# Allegro board 8880F5-0824_updates.brd (continued)
## Routing (per net, layer and track width the routed paths; a pad name or vN(x,y) marks a point on that pad's centre or on a via; arc(x,y) is an arc through that point) (continued)
  L05_SIGNAL w0.074: 123.65,81.28 D130.B16 ; D130.B16 125.27,81.28 ; D130.B16 124.46,82.09 ; D130.B16 124.46,80.47 ; D113.A7 333.55,335.28 ; D113.A7 332.74,336.09 ; D113.A7 332.74,334.47 ; D113.A7 331.93,335.28 ; 194.77,381 D431.B3 ; D431.B3 195.58,381.81 ; D431.B3 196.39,381 ; D431.B3 195.58,380.19 ; 232.87,58.42 D123.B1 ; D123.B1 233.68,57.61 ; D123.B1 234.49,58.42 ; D123.B1 233.68,59.23 ; 111.76,72.85 D130.A11 ; D130.A11 112.57,73.66 ; D130.A11 110.95,73.66 ; D130.A11 111.76,74.47 ; D112.A3 416.56,397.05 ; D112.A3 417.37,396.24 ; D112.A3 415.75,396.24 ; D112.A3 416.56,395.43 ; 198.12,75.39 D118.A16 ; D118.A16 198.12,77.01 ; D118.A16 197.31,76.2 ; D118.A16 198.93,76.2 ; 264.16,32.21 D124.A13 ; D124.A13 264.16,33.83 ; D124.A13 263.35,33.02 ; D124.A13 264.97,33.02 ; D306.A1 381.71,63.5 ; D306.A1 381,62.79 ; D306.A1 380.29,63.5 ; D306.A1 381,64.21 ; 332.74,395.43 D116.A7 ; D116.A7 333.55,396.24 ; D116.A7 331.93,396.24 ; D116.A7 332.74,397.05 ; D113.A11 323.39,335.28 ; D113.A11 322.58,336.09 ; D113.A11 322.58,334.47 ; D113.A11 321.77,335.28 ; D317.B10 182.88,92.15 ; D317.B10 183.59,91.44 ; D317.B10 182.17,91.44 ; D317.B10 182.88,90.73 ; 121.11,73.66 D130.A15 ; D130.A15 121.92,74.47 ; D130.A15 122.73,73.66 ; D130.A15 121.92,72.85 ; SITE1.G2 249.81,241.33 ; SITE1.G2 249.33,240.85 ; SITE1.G2 248.85,241.33 ; SITE1.G2 249.33,241.81 ; 314.15,347.98 D114.B14 ; D114.B14 315.77,347.98 ; D114.B14 314.96,348.79 ; D114.B14 314.96,347.17 ; D123.A5 243.84,54.15 ; D123.A5 243.03,53.34 ; D123.A5 244.65,53.34 ; D123.A5 243.84,52.53 ; D126.A11 38.1,74.47 ; D126.A11 38.1,72.85 ; D126.A11 37.29,73.66 ; D126.A11 38.91,73.66 ; 321.77,396.24 D116.A11 ; D116.A11 323.39,396.24 ; D116.A11 322.58,395.43 ; D116.A11 322.58,397.05 ; CSDPS229.C5 191.31,330.2 ; CSDPS229.C5 190.5,329.39 ; CSDPS229.C5 189.69,330.2 ; CSDPS229.C5 190.5,331.01 ; 235.51,66.04 D322.A2 ; D322.A2 236.93,66.04 ; D322.A2 236.22,66.75 ; D322.A2 236.22,65.33 ; 317.5,67.87 D302.B5 ; D302.B5 318.21,68.58 ; D302.B5 317.5,69.29 ; D302.B5 316.79,68.58 ; 413.21,55.88 D107.A14 ; D107.A14 414.02,56.69 ; D107.A14 414.83,55.88 ; D122.A3 238.76,74.47 ; D122.A3 238.76,72.85 ; D122.A3 237.95,73.66 ; D122.A3 239.57,73.66 ; 35.56,100.79 D125.B10 ; D125.B10 36.37,101.6 ; D125.B10 34.75,101.6 ; D125.B10 35.56,102.41 ; 396.24,83.11 D305.A7 ; D305.A7 396.24,84.53 ; D305.A7 396.95,83.82 ; D305.A7 395.53,83.82 ; D103.A9 328.47,53.34 ; D103.A9 327.66,52.53 ; D103.A9 327.66,54.15 ; D103.A9 326.85,53.34 ; 256.54,85.65 D321.A10 ; D321.A10 255.83,86.36 ; D321.A10 256.54,87.07 ; D321.A10 257.25,86.36 ; D125.A15 49.07,93.98 ; D125.A15 47.45,93.98 ; D125.A15 48.26,94.79 ; D125.A15 48.26,93.17 ; CSDPS425.C7 259.08,341.17 ; CSDPS425.C7 258.27,340.36 ; CSDPS425.C7 259.08,339.55 ; CSDPS425.C7 259.89,340.36 ; 397.97,353.06 D110.A10 ; D110.A10 399.59,353.06 ; D110.A10 398.78,352.25 ; D110.A10 398.78,353.87 ; D111.B10 398.78,369.11 ; D111.B10 397.97,368.3 ; D111.B10 398.78,367.49 ; D111.B10 399.59,368.3 ; D131.B1 86.36,59.23 ; D131.B1 86.36,57.61 ; D131.B1 87.17,58.42 ; D131.B1 85.55,58.42 ; D118.A8 177.8,77.01 ; D118.A8 177.8,75.39 ; D118.A8 178.61,76.2 ; D118.A8 176.99,76.2 ; 109.22,55.07 D131.A10 ; D131.A10 110.03,55.88 ; D131.A10 109.22,56.69 ; D131.A10 108.41,55.88 ; 42.37,93.98 D125.A13 ; D125.A13 43.18,93.17 ; D125.A13 43.18,94.79 ; D125.A13 43.99,93.98 ; D124.B3 239.57,38.1 ; D124.B3 238.76,38.91 ; D124.B3 237.95,38.1 ; D124.B3 238.76,37.29 ; D113.B9 327.66,331.01 ; D113.B9 326.85,330.2 ; D113.B9 328.47,330.2 ; D113.B9 327.66,329.39 ; SITE4.G18 330.23,186.91 ; SITE4.G18 330.23,185.95 ; SITE4.G18 330.71,186.43 ; SITE4.G18 329.75,186.43 ; D128.B6 26.21,40.64 ; D128.B6 25.4,39.83 ; D128.B6 25.4,41.45 ; D128.B6 24.59,40.64 ; 250.95,242.83 SITE1.G15 ; SITE1.G15 251.43,242.35 ; SITE1.G15 251.43,243.31 ; SITE1.G15 251.91,242.83 ; DPS2.A11 323.39,415.29 ; DPS2.A11 321.77,415.29 ; DPS2.A11 322.58,416.1 ; DPS2.A11 322.58,414.48 ; D111.A3 417.37,375.92 ; D111.A3 415.75,375.92 ; D111.A3 416.56,375.11 ; D111.A3 416.56,376.73 ; 307.34,32.21 D104.A1 ; D104.A1 308.15,33.02 ; D104.A1 307.34,33.83 ; D104.A1 306.53,33.02 ; D131.A5 97.33,53.34 ; D131.A5 96.52,54.15 ; D131.A5 96.52,52.53 ; 200.66,370.03 D231.B1 ; D231.B1 201.47,370.84 ; D231.B1 199.85,370.84 ; D231.B1 200.66,371.65 ; D123.A9 254,54.15 ; D123.A9 254.81,53.34 ; D123.A9 254,52.53 ; D123.A9 253.19,53.34 ; 311.61,53.34 D103.A3 ; D103.A3 313.23,53.34 ; D103.A3 312.42,54.15 ; D103.A3 312.42,52.53 ; D128.A11 38.1,33.83 ; D128.A11 38.91,33.02 ; D128.A11 38.1,32.21 ; D128.A11 37.29,33.02 ; D107.B1 381.81,58.42 ; D107.B1 381,59.23 ; D107.B1 381,57.61 ; D107.B1 380.19,58.42 ; D116.A15 312.42,397.05 ; D116.A15 312.42,395.43 ; D116.A15 313.23,396.24 ; D116.A15 311.61,396.24 ; 233.68,88.19 D321.B1 ; D321.B1 234.39,88.9 ; D321.B1 232.97,88.9 ; D321.B1 233.68,89.61 ; 159.31,63.5 D318.A1 ; D318.A1 160.02,62.79 ; D318.A1 160.73,63.5 ; D318.A1 160.02,64.21 ; D301.B11 333.45,88.9 ; D301.B11 332.03,88.9 ; D301.B11 332.74,89.61 ; D301.B11 332.74,88.19 ; D127.B16 51.61,60.96 ; D127.B16 49.99,60.96 ; D127.B16 50.8,61.77 ; D127.B16 50.8,60.15 ; 232.87,73.66 D122.A1 ; D122.A1 233.68,72.85 ; D122.A1 234.49,73.66 ; D122.A1 233.68,74.47 ; 86.36,72.85 D130.A1 ; D130.A1 87.17,73.66 ; D130.A1 85.55,73.66 ; D130.A1 86.36,74.47 ; 264.16,83.11 D321.A13 ; D321.A13 264.87,83.82 ; D321.A13 263.45,83.82 ; D321.A13 264.16,84.53 ; D125.B1 12.7,99.87 ; D125.B1 13.51,99.06 ; D125.B1 12.7,98.25 ; D102.B15 343.71,78.74 ; D102.B15 342.9,79.55 ; D102.B15 342.09,78.74 ; D102.B15 342.9,77.93 ; 30.48,34.75 D128.A8 ; D128.A8 30.48,36.37 ; D128.A8 31.29,35.56 ; D128.A8 29.67,35.56 ; D132.A15 122.73,33.02 ; D132.A15 121.92,32.21 ; D132.A15 121.11,33.02 ; D132.A15 121.92,33.83 ; 401.32,88.19 D305.B9 ; D305.B9 401.32,89.61 ; D305.B9 400.61,88.9 ; D305.B9 402.03,88.9 ; D106.B3 386.89,78.74 ; D106.B3 386.08,79.55 ; D106.B3 385.27,78.74 ; D106.B3 386.08,77.93 ; CSDPS429.B2 198.93,342.9 ; CSDPS429.B2 197.31,342.9 ; CSDPS429.B2 198.12,343.71 ; CSDPS429.B2 198.12,342.09 ; D302.A1 308.05,63.5 ; D302.A1 307.34,64.21 ; D302.A1 307.34,62.79 ; D302.A1 306.63,63.5 ; 118.57,55.88 D131.A14 ; D131.A14 119.38,56.69 ; D131.A14 120.19,55.88 ; D131.A14 119.38,55.07 ; 251.46,39.83 D124.B8 ; D124.B8 250.65,40.64 ; D124.B8 251.46,41.45 ; D124.B8 252.27,40.64 ; 248.11,58.42 D123.B7 ; D123.B7 248.92,59.23 ; D123.B7 248.92,57.61 ; D123.B7 249.73,58.42 ; 12.7,93.17 D125.A1 ; D125.A1 12.7,94.79 ; D125.A1 13.51,93.98 ; DPS3.A05 244.65,13.97 ; DPS3.A05 243.03,13.97 ; DPS3.A05 243.84,14.78 ; DPS3.A05 243.84,13.16 ; D124.B10 256.54,41.45 ; D124.B10 256.54,39.83 ; D124.B10 257.35,40.64 ; D124.B10 255.73,40.64 ; D321.A2 236.22,87.07 ; D321.A2 236.93,86.36 ; D321.A2 236.22,85.65 ; D321.A2 235.51,86.36 ; D106.A16 419.1,77.01 ; D106.A16 419.1,75.39 ; D106.A16 418.29,76.2 ; D106.A16 419.91,76.2 ; 414.02,75.39 D106.A14 ; D106.A14 414.83,76.2 ; D106.A14 413.21,76.2 ; D106.A14 414.02,77.01 ; 258.27,13.97 DPS3.A11 ; DPS3.A11 259.89,13.97 ; DPS3.A11 259.08,14.78 ; DPS3.A11 259.08,13.16 ; 169.37,53.34 D119.A5 ; D119.A5 170.99,53.34 ; D119.A5 170.18,52.53 ; D119.A5 170.18,54.15 ; D306.A9 401.32,64.21 ; D306.A9 400.61,63.5 ; D306.A9 401.32,62.79 ; D306.A9 402.03,63.5 ; 250.65,332.74 CSDPS225.B10 ; CSDPS225.B10 251.46,331.93 ; CSDPS225.B10 252.27,332.74 ; CSDPS225.B10 251.46,333.55 ; SITE2.G7 328.33,248.41 ; SITE2.G7 328.81,247.93 ; SITE2.G7 328.33,247.45 ; SITE2.G7 327.85,247.93 ; D108.B16 419.91,40.64 ; D108.B16 419.1,41.45 ; D108.B16 419.1,39.83 ; D108.B16 418.29,40.64 ; 387.81,55.88 D107.A4 ; D107.A4 388.62,56.69 ; D107.A4 389.43,55.88 ; D107.A4 388.62,55.07 ; D115.B13 317.5,371.65 ; D115.B13 318.31,370.84 ; D115.B13 316.69,370.84 ; D115.B13 317.5,370.03 ; D231.B7 186.23,370.84 ; D231.B7 185.42,371.65 ; D231.B7 184.61,370.84 ; D231.B7 185.42,370.03 ; D111.B3 416.56,371.65 ; D111.B3 417.37,370.84 ; D111.B3 416.56,370.03 ; D111.B3 415.75,370.84 ; 271.78,85.65 D321.A16 ; D321.A16 271.78,87.07 ; D321.A16 271.07,86.36 ; D321.A16 272.49,86.36 ; D125.A11 38.91,93.98 ; D125.A11 37.29,93.98 ; D125.A11 38.1,93.17 ; D125.A11 38.1,94.79 ; 93.98,39.83 D132.B4 ; D132.B4 94.79,40.64 ; D132.B4 93.98,41.45 ; D132.B4 93.17,40.64 ; DPS1.A05 391.97,13.97 ; DPS1.A05 391.16,14.78 ; DPS1.A05 390.35,13.97 ; DPS1.A05 391.16,13.16 ; 309.07,327.66 D113.B16 ; D113.B16 310.69,327.66 ; D113.B16 309.88,328.47 ; D113.B16 309.88,326.85 ; D122.B10 257.35,81.28 ; D122.B10 256.54,82.09 ; D122.B10 256.54,80.47 ; D122.B10 255.73,81.28 ; D122.A5 244.65,73.66 ; D122.A5 243.84,72.85 ; D122.A5 243.84,74.47 ; D122.A5 243.03,73.66 ; D108.B7 396.24,38.91 ; D108.B7 396.24,37.29 ; D108.B7 397.05,38.1 ; D108.B7 395.43,38.1 ; D322.A8 251.46,66.75 ; D322.A8 252.17,66.04 ; D322.A8 251.46,65.33 ; D322.A8 250.75,66.04 ; D118.B4 168.45,81.28 ; D118.B4 167.64,80.47 ; D118.B4 167.64,82.09 ; D118.B4 166.83,81.28 ; D231.B6 188.77,368.3 ; D231.B6 187.96,369.11 ; D231.B6 187.96,367.49 ; D231.B6 187.15,368.3 ; D322.B11 259.79,68.58 ; D322.B11 259.08,69.29 ; D322.B11 259.08,67.87 ; D322.B11 258.37,68.58 ; D126.A2 16.05,76.2 ; D126.A2 14.43,76.2 ; D126.A2 15.24,75.39 ; D126.A2 15.24,77.01 ; CSDPS429.C3 195.58,341.17 ; CSDPS429.C3 195.58,339.55 ; CSDPS429.C3 194.77,340.36 ; CSDPS429.C3 196.39,340.36 ; D104.A2 309.88,36.37 ; D104.A2 309.07,35.56 ; D104.A2 310.69,35.56 ; D104.A2 309.88,34.75 ; D126.A12 40.64,77.01 ; D126.A12 41.45,76.2 ; D126.A12 40.64,75.39 ; D126.A12 39.83,76.2 ; 311.61,73.66 D102.A3 ; D102.A3 313.23,73.66 ; D102.A3 312.42,72.85 ; D102.A3 312.42,74.47 ; 169.37,381 D431.B13 ; D431.B13 170.18,381.81 ; D431.B13 170.18,380.19 ; D431.B13 170.99,381 ; 390.35,350.52 D110.B13 ; D110.B13 391.16,349.71 ; D110.B13 391.97,350.52 ; D110.B13 391.16,351.33 ; CSDPS229.B4 193.04,333.55 ; CSDPS229.B4 192.23,332.74 ; CSDPS229.B4 193.85,332.74 ; CSDPS229.B4 193.04,331.93 ; 167.64,34.75 D120.A4 ; D120.A4 168.45,35.56 ; D120.A4 167.64,36.37 ; D120.A4 166.83,35.56 ; U2.4 98.08,219.15 ; U2.4 97.14,220.09 ; U2.4 96.2,219.15 ; U2.4 97.14,218.21 ; D118.A6 172.72,77.01 ; D118.A6 172.72,75.39 ; D118.A6 171.91,76.2 ; D118.A6 173.53,76.2 ; 233.68,67.87 D322.B1 ; D322.B1 233.68,69.29 ; D322.B1 234.39,68.58 ; D322.B1 232.97,68.58 ; D132.B11 112.57,38.1 ; D132.B11 111.76,37.29 ; D132.B11 111.76,38.91 ; D132.B11 110.95,38.1 ; 166.83,60.96 D119.B4 ; D119.B4 167.64,60.15 ; D119.B4 167.64,61.77 ; D119.B4 168.45,60.96 ; 325.12,372.57 D115.A10 ; D115.A10 325.93,373.38 ; D115.A10 324.31,373.38 ; D115.A10 325.12,374.19 ; 314.15,353.06 D114.A14 ; D114.A14 314.96,352.25 ; D114.A14 315.77,353.06 ; D114.A14 314.96,353.87 ; D104.A7 322.58,33.83 ; D104.A7 323.39,33.02 ; D104.A7 322.58,32.21 ; D104.A7 321.77,33.02 ; D109.A15 386.89,335.28 ; D109.A15 386.08,334.47 ; D109.A15 386.08,336.09 ; D109.A15 385.27,335.28 ; 329.49,66.04 D302.A10 ; D302.A10 330.91,66.04 ; D302.A10 330.2,66.75 ; D302.A10 330.2,65.33 ; 397.97,60.96 D107.B8 ; D107.B8 398.78,61.77 ; D107.B8 399.59,60.96 ; D107.B8 398.78,60.15 ; D122.B6 247.19,81.28 ; D122.B6 246.38,82.09 ; D122.B6 246.38,80.47 ; D122.B6 245.57,81.28 ; 337.11,68.58 D302.B13 ; D302.B13 337.82,69.29 ; D302.B13 337.82,67.87 ; D302.B13 338.53,68.58 ; 50.8,34.75 D128.A16 ; D128.A16 50.8,36.37 ; D128.A16 51.61,35.56 ; D128.A16 49.99,35.56 ; D112.B8 403.86,389.43 ; D112.B8 403.86,387.81 ; D112.B8 404.67,388.62 ; D112.B8 403.05,388.62 ; 100.79,38.1 D132.B7 ; D132.B7 102.41,38.1 ; D132.B7 101.6,38.91 ; D132.B7 101.6,37.29 ; 266.7,90.73 D321.B14 ; D321.B14 267.41,91.44 ; D321.B14 265.99,91.44 ; D321.B14 266.7,92.15 ; D126.B4 21.13,81.28 ; D126.B4 20.32,80.47 ; D126.B4 19.51,81.28 ; D126.B4 20.32,82.09 ; 419.1,331.93 D109.A2 ; D109.A2 419.1,333.55 ; D109.A2 419.91,332.74 ; D109.A2 418.29,332.74 ; 30.48,39.83 D128.B8 ; D128.B8 31.29,40.64 ; D128.B8 29.67,40.64 ; D128.B8 30.48,41.45 ; 392.99,66.04 D306.A6 ; D306.A6 394.41,66.04 ; D306.A6 393.7,65.33 ; D306.A6 393.7,66.75 ; 344.63,40.64 D104.B16 ; D104.B16 345.44,41.45 ; D104.B16 346.25,40.64 ; D104.B16 345.44,39.83 ; 88.9,95.71 D129.A2 ; D129.A2 88.09,96.52 ; D129.A2 89.71,96.52 ; D129.A2 88.9,97.33 ; 391.16,395.43 D112.A13 ; D112.A13 391.16,397.05 ; D112.A13 390.35,396.24 ; D112.A13 391.97,396.24 ; D116.B12 320.85,388.62 ; D116.B12 319.23,388.62 ; D116.B12 320.04,387.81 ; D116.B12 320.04,389.43 ; 271.78,90.73 D321.B16 ; D321.B16 271.78,92.15 ; D321.B16 271.07,91.44 ; D321.B16 272.49,91.44 ; 314.96,392.89 D116.A14 ; D116.A14 314.96,394.51 ; D116.A14 315.77,393.7 ; D116.A14 314.15,393.7 ; D129.A1 87.17,93.98 ; D129.A1 86.36,94.79 ; D129.A1 86.36,93.17 ; D129.A1 85.55,93.98 ; 331.93,53.34 D103.A11 ; D103.A11 333.55,53.34 ; D103.A11 332.74,52.53 ; D103.A11 332.74,54.15 ; D102.A6 320.04,77.01 ; D102.A6 319.23,76.2 ; D102.A6 320.04,75.39 ; D102.A6 320.85,76.2 ; 44.91,60.96 D127.B14 ; D127.B14 45.72,61.77 ; D127.B14 46.53,60.96 ; D127.B14 45.72,60.15 ; 387.81,388.62 D112.B14 ; D112.B14 389.43,388.62 ; D112.B14 388.62,389.43 ; D112.B14 388.62,387.81 ; 42.37,53.34 D127.A13 ; D127.A13 43.99,53.34 ; D127.A13 43.18,54.15 ; D127.A13 43.18,52.53 ; D317.B8 178.51,91.44 ; D317.B8 177.09,91.44 ; D317.B8 177.8,90.73 ; D317.B8 177.8,92.15 ; D107.B16 419.91,60.96 ; D107.B16 419.1,60.15 ; D107.B16 418.29,60.96 ; D107.B16 419.1,61.77 ; D125.A9 33.83,93.98 ; D125.A9 33.02,94.79 ; D125.A9 33.02,93.17 ; D125.A9 32.21,93.98 ; 174.45,415.29 DPS8.A11 ; DPS8.A11 176.07,415.29 ; DPS8.A11 175.26,416.1 ; DPS8.A11 175.26,414.48 ; 416.56,329.39 D109.B3 ; D109.B3 416.56,331.01 ; D109.B3 415.75,330.2 ; D109.B3 417.37,330.2 ; D127.A15 49.07,53.34 ; D127.A15 48.26,54.15 ; D127.A15 48.26,52.53 ; D127.A15 47.45,53.34 ; D115.B7 332.74,371.65 ; D115.B7 333.55,370.84 ; D115.B7 331.93,370.84 ; D115.B7 332.74,370.03 ; D231.A10 178.61,373.38 ; D231.A10 177.8,372.57 ; D231.A10 177.8,374.19 ; D231.A10 176.99,373.38 ; 248.85,181.33 SITE3.G2 ; SITE3.G2 249.33,181.81 ; SITE3.G2 249.33,180.85 ; SITE3.G2 249.81,181.33 ; 198.12,85.65 D317.A16 ; D317.A16 198.83,86.36 ; D317.A16 198.12,87.07 ; D317.A16 197.41,86.36 ; 403.15,86.36 D305.A10 ; D305.A10 403.86,87.07 ; D305.A10 403.86,85.65 ; D305.A10 404.57,86.36 ; D131.A13 116.84,54.15 ; D131.A13 117.65,53.34 ; D131.A13 116.84,52.53 ; D131.A13 116.03,53.34 ; 342.9,329.39 D113.B3 ; D113.B3 343.71,330.2 ; D113.B3 342.9,331.01 ; D113.B3 342.09,330.2 ; 392.89,35.56 D108.A6 ; D108.A6 393.7,34.75 ; D108.A6 394.51,35.56 ; D108.A6 393.7,36.37 ; 330.33,240.85 SITE2.G3 ; SITE2.G3 330.81,241.33 ; SITE2.G3 329.85,241.33 ; SITE2.G3 330.33,241.81 ; 314.96,65.33 D302.A4 ; D302.A4 314.25,66.04 ; D302.A4 315.67,66.04 ; D302.A4 314.96,66.75 ; 174.45,381 D431.B11 ; D431.B11 176.07,381 ; D431.B11 175.26,380.19 ; D431.B11 175.26,381.81 ; 410.77,88.9 D305.B13 ; D305.B13 411.48,88.19 ; D305.B13 412.19,88.9 ; D305.B13 411.48,89.61 ; D431.B12 173.53,378.46 ; D431.B12 171.91,378.46 ; D431.B12 172.72,379.27 ; D431.B12 172.72,377.65 ; 241.3,331.93 CSDPS225.B14 ; CSDPS225.B14 242.11,332.74 ; CSDPS225.B14 240.49,332.74 ; CSDPS225.B14 241.3,333.55 ; 388.62,70.41 D306.B4 ; D306.B4 387.91,71.12 ; D306.B4 388.62,71.83 ; D306.B4 389.33,71.12 ; 347.98,354.79 D114.A1 ; D114.A1 348.79,355.6 ; D114.A1 347.98,356.41 ; D114.A1 347.17,355.6 ; D306.B14 414.02,71.83 ; D306.B14 413.31,71.12 ; D306.B14 414.02,70.41 ; D306.B14 414.73,71.12 ; D104.A15 343.71,33.02 ; D104.A15 342.09,33.02 ; D104.A15 342.9,32.21 ; D104.A15 342.9,33.83 ; 306.53,38.1 D104.B1 ; D104.B1 307.34,38.91 ; D104.B1 307.34,37.29 ; D104.B1 308.15,38.1 ; D107.A16 419.1,56.69 ; D107.A16 419.91,55.88 ; D107.A16 418.29,55.88 ; D107.A16 419.1,55.07 ; D128.A13 43.18,33.83 ; D128.A13 42.37,33.02 ; D128.A13 43.99,33.02 ; D128.A13 43.18,32.21 ; 331.43,245.95 SITE2.G19 ; SITE2.G19 331.91,246.43 ; SITE2.G19 330.95,246.43 ; SITE2.G19 331.43,246.91 ; D123.B6 246.38,61.77 ; D123.B6 247.19,60.96 ; D123.B6 245.57,60.96 ; D123.B6 246.38,60.15 ; D111.A13 391.97,375.92 ; D111.A13 390.35,375.92 ; D111.A13 391.16,376.73 ; D111.A13 391.16,375.11 ; 340.36,372.57 D115.A4 ; D115.A4 341.17,373.38 ; D115.A4 340.36,374.19 ; D115.A4 339.55,373.38 ; SITE1.G18 250.71,246.43 ; SITE1.G18 250.23,245.95 ; SITE1.G18 249.75,246.43 ; SITE1.G18 250.23,246.91 ; D231.A6 187.96,374.19 ; D231.A6 188.77,373.38 ; D231.A6 187.96,372.57 ; D231.A6 187.15,373.38 ; D123.A6 246.38,56.69 ; D123.A6 247.19,55.88 ; D123.A6 246.38,55.07 ; D123.A6 245.57,55.88 ; 12.7,72.85 D126.A1 ; D126.A1 12.7,74.47 ; D126.A1 13.51,73.66 ; 391.16,57.61 D107.B5 ; D107.B5 391.16,59.23 ; D107.B5 391.97,58.42 ; D107.B5 390.35,58.42 ; 93.17,60.96 D131.B4 ; D131.B4 93.98,61.77 ; D131.B4 93.98,60.15 ; D131.B4 94.79,60.96 ; D132.A3 92.25,33.02 ; D132.A3 90.63,33.02 ; D132.A3 91.44,32.21 ; D132.A3 91.44,33.83 ; SITE2.G10 331.33,248.41 ; SITE2.G10 330.85,247.93 ; SITE2.G10 331.33,247.45 ; SITE2.G10 331.81,247.93 ; CSDPS425.B2 272.59,342.9 ; CSDPS425.B2 270.97,342.9 ; CSDPS425.B2 271.78,342.09 ; CSDPS425.B2 271.78,343.71 ; D106.B6 394.51,81.28 ; D106.B6 393.7,80.47 ; D106.B6 392.89,81.28 ; D106.B6 393.7,82.09 ; 340.36,392.89 D116.A4 ; D116.A4 341.17,393.7 ; D116.A4 339.55,393.7 ; D116.A4 340.36,394.51 ; D128.B10 36.37,40.64 ; D128.B10 35.56,41.45 ; D128.B10 34.75,40.64 ; D128.B10 35.56,39.83 ; D122.A16 272.59,76.2 ; D122.A16 271.78,75.39 ; D122.A16 271.78,77.01 ; D122.A16 270.97,76.2 ; CSDPS229.B8 183.69,332.74 ; CSDPS229.B8 182.88,331.93 ; CSDPS229.B8 182.88,333.55 ; CSDPS229.B8 182.07,332.74 ; 27.94,98.25 D125.B7 ; D125.B7 28.75,99.06 ; D125.B7 27.94,99.87 ; D125.B7 27.13,99.06 ; 344.63,332.74 D113.A2 ; D113.A2 345.44,331.93 ; D113.A2 345.44,333.55 ; D113.A2 346.25,332.74 ; D114.B6 335.28,348.79 ; D114.B6 336.09,347.98 ; D114.B6 335.28,347.17 ; D114.B6 334.47,347.98 ; D112.A9 401.32,397.05 ; D112.A9 402.13,396.24 ; D112.A9 400.51,396.24 ; D112.A9 401.32,395.43 ; D115.B2 345.44,369.11 ; D115.B2 345.44,367.49 ; D115.B2 344.63,368.3 ; D115.B2 346.25,368.3 ; D301.B1 308.05,88.9 ; D301.B1 306.63,88.9 ; D301.B1 307.34,89.61 ; D301.B1 307.34,88.19 ; 165.1,72.85 D118.A3 ; D118.A3 165.91,73.66 ; D118.A3 165.1,74.47 ; D118.A3 164.29,73.66 ; D305.A6 393.7,87.07 ; D305.A6 392.99,86.36 ; D305.A6 393.7,85.65 ; D305.A6 394.41,86.36 ; 259.08,83.11 D321.A11 ; D321.A11 259.08,84.53 ; D321.A11 259.79,83.82 ; D321.A11 258.37,83.82 ; D116.B3 343.71,391.16 ; D116.B3 342.09,391.16 ; D116.B3 342.9,391.97 ; D116.B3 342.9,390.35 ; 240.59,91.44 D321.B4 ; D321.B4 241.3,92.15 ; D321.B4 241.3,90.73 ; D321.B4 242.01,91.44 ; 410.67,78.74 D106.B13 ; D106.B13 412.29,78.74 ; D106.B13 411.48,79.55 ; D106.B13 411.48,77.93 ; D302.A14 341.07,66.04 ; D302.A14 339.65,66.04 ; D302.A14 340.36,65.33 ; D302.A14 340.36,66.75 ; D302.A7 322.58,64.21 ; D302.A7 321.87,63.5 ; D302.A7 322.58,62.79 ; D302.A7 323.29,63.5 ; D127.B8 30.48,61.77 ; D127.B8 29.67,60.96 ; D127.B8 30.48,60.15 ; D127.B8 31.29,60.96 ; D115.A3 342.9,376.73 ; D115.A3 342.9,375.11 ; D115.A3 343.71,375.92 ; D115.A3 342.09,375.92 ; D318.B4 168.35,71.12 ; D318.B4 167.64,70.41 ; D318.B4 166.93,71.12 ; D318.B4 167.64,71.83 ; D322.A6 247.09,66.04 ; D322.A6 246.38,66.75 ; D322.A6 246.38,65.33 ; D322.A6 245.67,66.04 ; D107.A10 404.67,55.88 ; D107.A10 403.05,55.88 ; D107.A10 403.86,56.69 ; D107.A10 403.86,55.07 ; 172.72,331.93 CSDPS229.B12 ; CSDPS229.B12 171.91,332.74 ; CSDPS229.B12 173.53,332.74 ; CSDPS229.B12 172.72,333.55 ; 248.11,340.36 CSDPS425.C11 ; CSDPS425.C11 248.92,341.17 ; CSDPS425.C11 249.73,340.36 ; CSDPS425.C11 248.92,339.55 ; 30.48,75.39 D126.A8 ; D126.A8 30.48,77.01 ; D126.A8 29.67,76.2 ; D126.A8 31.29,76.2 ; D317.A10 182.88,87.07 ; D317.A10 182.17,86.36 ; D317.A10 182.88,85.65 ; D317.A10 183.59,86.36 ; D108.A8 399.59,35.56 ; D108.A8 398.78,34.75 ; D108.A8 397.97,35.56 ; D108.A8 398.78,36.37 ; D104.A10 331.01,35.56 ; D104.A10 330.2,36.37 ; D104.A10 330.2,34.75 ; D104.A10 329.39,35.56 ; 247.85,241.33 SITE1.G1 ; SITE1.G1 248.33,241.81 ; SITE1.G1 248.81,241.33 ; SITE1.G1 248.33,240.85 ; 121.92,98.25 D129.B15 ; D129.B15 121.92,99.87 ; D129.B15 122.73,99.06 ; D129.B15 121.11,99.06 ; 330.2,60.15 D103.B10 ; D103.B10 331.01,60.96 ; D103.B10 329.39,60.96 ; D103.B10 330.2,61.77 ; 401.32,32.21 D108.A9 ; D108.A9 402.13,33.02 ; D108.A9 401.32,33.83 ; D108.A9 400.51,33.02 ; 386.08,37.29 D108.B3 ; D108.B3 386.08,38.91 ; D108.B3 385.27,38.1 ; D108.B3 386.89,38.1 ; D110.A7 406.4,356.41 ; D110.A7 407.21,355.6 ; D110.A7 406.4,354.79 ; D110.A7 405.59,355.6 ; 88.9,34.75 D132.A2 ; D132.A2 88.9,36.37 ; D132.A2 88.09,35.56 ; D132.A2 89.71,35.56 ; 329.33,187.45 SITE4.G8 ; SITE4.G8 328.85,187.93 ; SITE4.G8 329.33,188.41 ; SITE4.G8 329.81,187.93 ; D107.B4 389.43,60.96 ; D107.B4 387.81,60.96 ; D107.B4 388.62,60.15 ; D107.B4 388.62,61.77 ; D321.B2 236.22,92.15 ; D321.B2 235.51,91.44 ; D321.B2 236.22,90.73 ; D321.B2 236.93,91.44 ; D119.B13 191.31,58.42 ; D119.B13 189.69,58.42 ; D119.B13 190.5,59.23 ; 193.04,367.49 D231.B4 ; D231.B4 193.04,369.11 ; D231.B4 193.85,368.3 ; D231.B4 192.23,368.3 ; D318.B9 180.34,69.29 ; D318.B9 180.34,67.87 ; D318.B9 179.63,68.58 ; D318.B9 181.05,68.58 ; 91.44,52.53 D131.A3 ; D131.A3 91.44,54.15 ; D131.A3 92.25,53.34 ; D231.B2 198.12,369.11 ; D231.B2 197.31,368.3 ; D231.B2 198.93,368.3 ; D231.B2 198.12,367.49 ; 179.53,381 D431.B9 ; D431.B9 181.15,381 ; D431.B9 180.34,381.81 ; D431.B9 180.34,380.19 ; 403.86,372.57 D111.A8 ; D111.A8 404.67,373.38 ; D111.A8 403.05,373.38 ; D111.A8 403.86,374.19 ; 248.33,187.45 SITE3.G7 ; SITE3.G7 247.85,187.93 ; SITE3.G7 248.81,187.93 ; SITE3.G7 248.33,188.41 ; 265.89,60.96 D123.B14 ; D123.B14 266.7,61.77 ; D123.B14 267.51,60.96 ; D123.B14 266.7,60.15 ; 162.56,34.75 D120.A2 ; D120.A2 161.75,35.56 ; D120.A2 162.56,36.37 ; D120.A2 163.37,35.56 ; D103.B13 337.82,59.23 ; D103.B13 338.63,58.42 ; D103.B13 337.82,57.61 ; D103.B13 337.01,58.42 ; D103.A6 320.85,55.88 ; D103.A6 320.04,55.07 ; D103.A6 320.04,56.69 ; D103.A6 319.23,55.88 ; 254,67.87 D322.B9 ; D322.B9 254,69.29 ; D322.B9 254.71,68.58 ; D322.B9 253.29,68.58 ; 263.35,340.36 CSDPS425.C5 ; CSDPS425.C5 264.16,341.17 ; CSDPS425.C5 264.16,339.55 ; CSDPS425.C5 264.97,340.36 ; D124.B14 266.7,41.45 ; D124.B14 267.51,40.64 ; D124.B14 265.89,40.64 ; D124.B14 266.7,39.83 ; D302.A2 310.59,66.04 ; D302.A2 309.88,66.75 ; D302.A2 309.88,65.33 ; D302.A2 309.17,66.04 ; D322.A3 239.47,63.5 ; D322.A3 238.76,64.21 ; D322.A3 238.76,62.79 ; D322.A3 238.05,63.5 ; 380.19,53.34 D107.A1 ; D107.A1 381.81,53.34 ; D107.A1 381,54.15 ; D107.A1 381,52.53 ; 401.32,83.11 D305.A9 ; D305.A9 400.61,83.82 ; D305.A9 401.32,84.53 ; D305.A9 402.03,83.82 ; 339.55,368.3 D115.B4 ; D115.B4 340.36,369.11 ; D115.B4 341.17,368.3 ; D115.B4 340.36,367.49 ; 342.19,88.9 D301.B15 ; D301.B15 342.9,88.19 ; D301.B15 343.61,88.9 ; D301.B15 342.9,89.61 ; 165.1,370.03 D231.B15 ; D231.B15 165.91,370.84 ; D231.B15 165.1,371.65 ; D231.B15 164.29,370.84 ; SITE2.G15 331.43,243.31 ; SITE2.G15 330.95,242.83 ; SITE2.G15 331.43,242.35 ; SITE2.G15 331.91,242.83 ; D317.A7 175.26,84.53 ; D317.A7 174.55,83.82 ; D317.A7 175.26,83.11 ; D317.A7 175.97,83.82 ; 340.36,39.83 D104.B14 ; D104.B14 340.36,41.45 ; D104.B14 341.17,40.64 ; D104.B14 339.55,40.64 ; CSDPS225.C7 259.89,330.2 ; CSDPS225.C7 258.27,330.2 ; CSDPS225.C7 259.08,331.01 ; CSDPS225.C7 259.08,329.39 ; D125.B16 50.8,102.41 ; D125.B16 49.99,101.6 ; D125.B16 50.8,100.79 ; D125.B16 51.61,101.6 ; D129.A5 97.33,93.98 ; D129.A5 96.52,94.79 ; D129.A5 96.52,93.17 ; 396.24,329.39 D109.B11 ; D109.B11 395.43,330.2 ; D109.B11 396.24,331.01 ; D109.B11 397.05,330.2 ; D301.A12 335.28,87.07 ; D301.A12 335.99,86.36 ; D301.A12 334.57,86.36 ; D301.A12 335.28,85.65 ; 162.56,70.41 D318.B2 ; D318.B2 162.56,71.83 ; D318.B2 161.85,71.12 ; D318.B2 163.27,71.12 ; DPS2.C11 323.39,410.21 ; DPS2.C11 322.58,411.02 ; DPS2.C11 321.77,410.21 ; DPS2.C11 322.58,409.4 ; D317.A8 178.51,86.36 ; D317.A8 177.8,87.07 ; D317.A8 177.8,85.65 ; D317.A8 177.09,86.36 ; 260.81,332.74 CSDPS225.B6 ; CSDPS225.B6 261.62,333.55 ; CSDPS225.B6 262.43,332.74 ; CSDPS225.B6 261.62,331.93 ; 421.64,390.35 D112.B1 ; D112.B1 422.45,391.16 ; D112.B1 421.64,391.97 ; D112.B1 420.83,391.16 ; 108.41,60.96 D131.B10 ; D131.B10 109.22,61.77 ; D131.B10 110.03,60.96 ; D131.B10 109.22,60.15 ; D318.B6 172.72,71.83 ; D318.B6 173.43,71.12 ; D318.B6 172.72,70.41 ; D318.B6 172.01,71.12 ; 329.49,91.44 D301.B10 ; D301.B10 330.2,92.15 ; D301.B10 330.91,91.44 ; D301.B10 330.2,90.73 ; 334.57,91.44 D301.B12 ; D301.B12 335.28,90.73 ; D301.B12 335.28,92.15 ; D301.B12 335.99,91.44 ; D113.B12 320.85,327.66 ; D113.B12 320.04,326.85 ; D113.B12 320.04,328.47 ; D113.B12 319.23,327.66 ; D128.B11 38.91,38.1 ; D128.B11 38.1,37.29 ; D128.B11 37.29,38.1 ; D128.B11 38.1,38.91 ; D122.A4 242.11,76.2 ; D122.A4 240.49,76.2 ; D122.A4 241.3,77.01 ; D122.A4 241.3,75.39 ; 93.98,95.71 D129.A4 ; D129.A4 93.17,96.52 ; D129.A4 93.98,97.33 ; D129.A4 94.79,96.52 ; 395.43,73.66 D106.A7 ; D106.A7 396.24,72.85 ; D106.A7 397.05,73.66 ; D106.A7 396.24,74.47 ; D110.A14 388.62,353.87 ; D110.A14 389.43,353.06 ; D110.A14 388.62,352.25 ; D110.A14 387.81,353.06 ; D119.B7 175.26,59.23 ; D119.B7 176.07,58.42 ; D119.B7 174.45,58.42 ; D317.B3 165.1,89.61 ; D317.B3 165.1,88.19 ; D317.B3 164.39,88.9 ; D317.B3 165.81,88.9 ; SITE2.G5 332.33,241.81 ; SITE2.G5 331.85,241.33 ; SITE2.G5 332.33,240.85 ; SITE2.G5 332.81,241.33 ; D129.A11 112.57,93.98 ; D129.A11 111.76,93.17 ; D129.A11 110.95,93.98 ; D129.A11 111.76,94.79 ; SITE2.G13 329.51,242.83 ; SITE2.G13 328.55,242.83 ; SITE2.G13 329.03,242.35 ; SITE2.G13 329.03,243.31 ; 408.94,90.73 D305.B12 ; D305.B12 408.23,91.44 ; D305.B12 408.94,92.15 ; D305.B12 409.65,91.44 ; 405.59,73.66 D106.A11 ; D106.A11 406.4,74.47 ; D106.A11 406.4,72.85 ; D106.A11 407.21,73.66 ; D125.A14 45.72,97.33 ; D125.A14 46.53,96.52 ; D125.A14 45.72,95.71 ; D125.A14 44.91,96.52 ; 164.39,68.58 D318.B3 ; D318.B3 165.1,67.87 ; D318.B3 165.81,68.58 ; D318.B3 165.1,69.29 ; D321.A7 248.92,84.53 ; D321.A7 248.21,83.82 ; D321.A7 249.63,83.82 ; D321.A7 248.92,83.11 ; 410.77,68.58 D306.B13 ; D306.B13 411.48,69.29 ; D306.B13 412.19,68.58 ; D306.B13 411.48,67.87 ; D118.A14 193.04,77.01 ; D118.A14 193.85,76.2 ; D118.A14 193.04,75.39 ; D118.A14 192.23,76.2 ; 248.85,187.93 SITE3.G8 ; SITE3.G8 249.33,187.45 ; SITE3.G8 249.33,188.41 ; SITE3.G8 249.81,187.93 ; D119.A6 172.72,56.69 ; D119.A6 172.72,55.07 ; D119.A6 171.91,55.88 ; D119.A6 173.53,55.88 ; D108.A13 411.48,33.83 ; D108.A13 411.48,32.21 ; D108.A13 410.67,33.02 ; D108.A13 412.29,33.02 ; 416.56,349.71 D110.B3 ; D110.B3 415.75,350.52 ; D110.B3 417.37,350.52 ; D110.B3 416.56,351.33 ; 410.67,391.16 D112.B5 ; D112.B5 411.48,390.35 ; D112.B5 411.48,391.97 ; D112.B5 412.29,391.16 ; SITE2.G8 329.33,248.41 ; SITE2.G8 329.81,247.93 ; SITE2.G8 328.85,247.93 ; SITE2.G8 329.33,247.45 ; 337.01,396.24 D116.A5 ; D116.A5 337.82,397.05 ; D116.A5 338.63,396.24 ; D116.A5 337.82,395.43 ; 34.75,96.52 D125.A10 ; D125.A10 35.56,97.33 ; D125.A10 36.37,96.52 ; D125.A10 35.56,95.71 ; D122.A2 236.22,77.01 ; D122.A2 235.41,76.2 ; D122.A2 236.22,75.39 ; D122.A2 237.03,76.2 ; D104.B12 336.09,40.64 ; D104.B12 334.47,40.64 ; D104.B12 335.28,41.45 ; D104.B12 335.28,39.83 ; D102.A9 327.66,74.47 ; D102.A9 328.47,73.66 ; D102.A9 326.85,73.66 ; D102.A9 327.66,72.85 ; 192.23,81.28 D118.B14 ; D118.B14 193.04,82.09 ; D118.B14 193.85,81.28 ; D118.B14 193.04,80.47 ; 187.96,342.09 CSDPS429.B6 ; CSDPS429.B6 188.77,342.9 ; CSDPS429.B6 187.96,343.71 ; CSDPS429.B6 187.15,342.9 ; 238.76,339.55 CSDPS425.C15 ; CSDPS425.C15 238.76,341.17 ; CSDPS425.C15 237.95,340.36 ; CSDPS425.C15 239.57,340.36 ; 167.64,382.73 D431.A14 ; D431.A14 168.45,383.54 ; D431.A14 167.64,384.35 ; D431.A14 166.83,383.54 ; 182.88,65.33 D318.A10 ; D318.A10 183.59,66.04 ; D318.A10 182.88,66.75 ; D318.A10 182.17,66.04 ; 86.36,52.53 D131.A1 ; D131.A1 87.17,53.34 ; D131.A1 85.55,53.34 ; D131.A1 86.36,54.15 ; 312.42,349.71 D114.B15 ; D114.B15 313.23,350.52 ; D114.B15 312.42,351.33 ; D114.B15 311.61,350.52 ; DPS2.A15 313.23,415.29 ; DPS2.A15 312.42,414.48 ; DPS2.A15 312.42,416.1 ; DPS2.A15 311.61,415.29 ; 195.58,52.53 D119.A15 ; D119.A15 195.58,54.15 ; D119.A15 196.39,53.34 ; D119.A15 194.77,53.34 ; 238.76,67.87 D322.B3 ; D322.B3 238.05,68.58 ; D322.B3 238.76,69.29 ; D322.B3 239.47,68.58 ; 408.94,34.75 D108.A12 ; D108.A12 408.94,36.37 ; D108.A12 409.75,35.56 ; D108.A12 408.13,35.56 ; D122.B11 259.08,79.55 ; D122.B11 258.27,78.74 ; D122.B11 259.89,78.74 ; D122.B11 259.08,77.93 ; 193.04,372.57 D231.A4 ; D231.A4 193.04,374.19 ; D231.A4 192.23,373.38 ; D231.A4 193.85,373.38 ; D126.A3 17.78,74.47 ; D126.A3 16.97,73.66 ; D126.A3 17.78,72.85 ; D126.A3 18.59,73.66 ; DPS8.A01 201.47,415.29 ; DPS8.A01 199.85,415.29 ; DPS8.A01 200.66,416.1 ; DPS8.A01 200.66,414.48 ; 252.85,187.93 SITE3.G12 ; SITE3.G12 253.33,188.41 ; SITE3.G12 253.33,187.45 ; SITE3.G12 253.81,187.93 ; D317.B11 186.13,88.9 ; D317.B11 185.42,88.19 ; D317.B11 185.42,89.61 ; D317.B11 184.71,88.9 ; 198.12,55.07 D119.A16 ; D119.A16 197.31,55.88 ; D119.A16 198.93,55.88 ; D119.A16 198.12,56.69 ; 164.29,53.34 D119.A3 ; D119.A3 165.91,53.34 ; D119.A3 165.1,52.53 ; D119.A3 165.1,54.15 ; D231.A1 200.66,376.73 ; D231.A1 199.85,375.92 ; D231.A1 201.47,375.92 ; D231.A1 200.66,375.11 ; 19.51,76.2 D126.A4 ; D126.A4 20.32,75.39 ; D126.A4 21.13,76.2 ; D126.A4 20.32,77.01 ; 342.09,53.34 D103.A15 ; D103.A15 342.9,52.53 ; D103.A15 342.9,54.15 ; D103.A15 343.71,53.34 ; 235.41,35.56 D124.A2 ; D124.A2 236.22,34.75 ; D124.A2 237.03,35.56 ; D124.A2 236.22,36.37 ; D120.A5 170.99,33.02 ; D120.A5 169.37,33.02 ; D120.A5 170.18,32.21 ; D120.A5 170.18,33.83 ; 415.75,58.42 D107.B15 ; D107.B15 416.56,57.61 ; D107.B15 417.37,58.42 ; D107.B15 416.56,59.23 ; 192.23,40.64 D120.B14 ; D120.B14 193.04,41.45 ; D120.B14 193.04,39.83 ; D120.B14 193.85,40.64 ; D132.B10 110.03,40.64 ; D132.B10 109.22,41.45 ; D132.B10 108.41,40.64 ; 16.97,38.1 D128.B3 ; D128.B3 17.78,38.91 ; D128.B3 17.78,37.29 ; D128.B3 18.59,38.1 ; D104.B8 325.93,40.64 ; D104.B8 325.12,41.45 ; D104.B8 324.31,40.64 ; D104.B8 325.12,39.83 ; D114.A2 346.25,353.06 ; D114.A2 345.44,352.25 ; D114.A2 344.63,353.06 ; D114.A2 345.44,353.87 ; 248.92,37.29 D124.B7 ; D124.B7 248.92,38.91 ; D124.B7 249.73,38.1 ; D124.B7 248.11,38.1 ; D102.A7 322.58,74.47 ; D102.A7 322.58,72.85 ; D102.A7 321.77,73.66 ; D102.A7 323.39,73.66 ; 160.02,385.27 D431.A17 ; D431.A17 160.83,386.08 ; D431.A17 159.21,386.08 ; D431.A17 160.02,386.89 ; DPS3.C05 244.65,19.05 ; DPS3.C05 243.84,19.86 ; DPS3.C05 243.03,19.05 ; DPS3.C05 243.84,18.24 ; 109.22,75.39 D130.A10 ; D130.A10 108.41,76.2 ; D130.A10 110.03,76.2 ; D130.A10 109.22,77.01 ; 392.89,60.96 D107.B6 ; D107.B6 394.51,60.96 ; D107.B6 393.7,61.77 ; D107.B6 393.7,60.15 ; D306.B10 404.57,71.12 ; D306.B10 403.86,71.83 ; D306.B10 403.15,71.12 ; D306.B10 403.86,70.41 ; 165.1,339.55 CSDPS429.C15 ; CSDPS429.C15 165.91,340.36 ; CSDPS429.C15 165.1,341.17 ; CSDPS429.C15 164.29,340.36 ; D107.B13 411.48,59.23 ; D107.B13 411.48,57.61 ; D107.B13 412.29,58.42 ; D107.B13 410.67,58.42 ; 335.28,80.47 D102.B12 ; D102.B12 335.28,82.09 ; D102.B12 334.47,81.28 ; D102.B12 336.09,81.28 ; 250.23,242.35 SITE1.G14 ; SITE1.G14 250.71,242.83 ; SITE1.G14 249.75,242.83 ; SITE1.G14 250.23,243.31 ; D124.A5 243.84,33.83 ; D124.A5 244.65,33.02 ; D124.A5 243.84,32.21 ; D124.A5 243.03,33.02 ; 253.19,58.42 D123.B9 ; D123.B9 254,59.23 ; D123.B9 254,57.61 ; D123.B9 254.81,58.42 ; 233.68,62.79 D322.A1 ; D322.A1 234.39,63.5 ; D322.A1 232.97,63.5 ; D322.A1 233.68,64.21 ; D119.B11 186.23,58.42 ; D119.B11 185.42,59.23 ; D119.B11 184.61,58.42 ; 169.37,330.2 CSDPS229.C13 ; CSDPS229.C13 170.18,329.39 ; CSDPS229.C13 170.18,331.01 ; CSDPS229.C13 170.99,330.2 ; D129.B3 91.44,99.87 ; D129.B3 92.25,99.06 ; D129.B3 91.44,98.25 ; D109.A7 406.4,336.09 ; D109.A7 405.59,335.28 ; D109.A7 407.21,335.28 ; D109.A7 406.4,334.47 ; 195.58,375.11 D231.A3 ; D231.A3 194.77,375.92 ; D231.A3 195.58,376.73 ; D231.A3 196.39,375.92 ; 397.97,388.62 D112.B10 ; D112.B10 398.78,389.43 ; D112.B10 398.78,387.81 ; D112.B10 399.59,388.62 ; D123.B4 242.11,60.96 ; D123.B4 241.3,60.15 ; D123.B4 240.49,60.96 ; D123.B4 241.3,61.77 ; 32.21,38.1 D128.B9 ; D128.B9 33.02,38.91 ; D128.B9 33.02,37.29 ; D128.B9 33.83,38.1 ; 16.97,58.42 D127.B3 ; D127.B3 17.78,57.61 ; D127.B3 18.59,58.42 ; D127.B3 17.78,59.23 ; D231.A12 173.53,373.38 ; D231.A12 172.72,372.57 ; D231.A12 171.91,373.38 ; D231.A12 172.72,374.19 ; 408.94,387.81 D112.B6 ; D112.B6 409.75,388.62 ; D112.B6 408.94,389.43 ; D112.B6 408.13,388.62 ; 316.79,88.9 D301.B5 ; D301.B5 317.5,89.61 ; D301.B5 317.5,88.19 ; D301.B5 318.21,88.9 ; 316.69,330.2 D113.B13 ; D113.B13 318.31,330.2 ; D113.B13 317.5,331.01 ; D113.B13 317.5,329.39 ; D131.B11 112.57,58.42 ; D131.B11 111.76,57.61 ; D131.B11 111.76,59.23 ; D131.B11 110.95,58.42 ; 251.85,181.33 SITE3.G5 ; SITE3.G5 252.81,181.33 ; SITE3.G5 252.33,180.85 ; SITE3.G5 252.33,181.81 ; CSDPS429.C5 191.31,340.36 ; CSDPS429.C5 189.69,340.36 ; CSDPS429.C5 190.5,339.55 ; CSDPS429.C5 190.5,341.17 ; 401.32,329.39 D109.B9 ; D109.B9 402.13,330.2 ; D109.B9 401.32,331.01 ; D109.B9 400.51,330.2 ; D127.A16 51.61,55.88 ; D127.A16 50.8,56.69 ; D127.A16 50.8,55.07 ; D127.A16 49.99,55.88 ; D111.A16 383.54,374.19 ; D111.A16 383.54,372.57 ; D111.A16 384.35,373.38 ; D111.A16 382.73,373.38 ; D124.A7 249.73,33.02 ; D124.A7 248.92,33.83 ; D124.A7 248.92,32.21 ; D124.A7 248.11,33.02 ; 408.13,81.28 D106.B12 ; D106.B12 409.75,81.28 ; D106.B12 408.94,82.09 ; D106.B12 408.94,80.47 ; D318.A13 190.5,64.21 ; D318.A13 189.79,63.5 ; D318.A13 191.21,63.5 ; D318.A13 190.5,62.79 ; 35.56,55.07 D127.A10 ; D127.A10 34.75,55.88 ; D127.A10 35.56,56.69 ; D127.A10 36.37,55.88 ; 330.33,187.45 SITE4.G9 ; SITE4.G9 329.85,187.93 ; SITE4.G9 330.81,187.93 ; SITE4.G9 330.33,188.41 ; D317.A13 190.5,84.53 ; D317.A13 190.5,83.11 ; D317.A13 191.21,83.82 ; D317.A13 189.79,83.82 ; 105.87,38.1 D132.B9 ; D132.B9 106.68,38.91 ; D132.B9 106.68,37.29 ; D132.B9 107.49,38.1 ; 169.37,340.36 CSDPS429.C13 ; CSDPS429.C13 170.18,341.17 ; CSDPS429.C13 170.18,339.55 ; CSDPS429.C13 170.99,340.36 ; 250.65,60.96 D123.B8 ; D123.B8 251.46,61.77 ; D123.B8 251.46,60.15 ; D123.B8 252.27,60.96 ; 314.25,86.36 D301.A4 ; D301.A4 314.96,87.07 ; D301.A4 315.67,86.36 ; D301.A4 314.96,85.65 ; 403.05,35.56 D108.A10 ; D108.A10 403.86,36.37 ; D108.A10 403.86,34.75 ; D108.A10 404.67,35.56 ; D112.B15 386.08,391.97 ; D112.B15 386.89,391.16 ; D112.B15 385.27,391.16 ; D112.B15 386.08,390.35 ; D122.B15 270.05,78.74 ; D122.B15 269.24,77.93 ; D122.B15 269.24,79.55 ; D122.B15 268.43,78.74 ; D102.A16 346.25,76.2 ; D102.A16 344.63,76.2 ; D102.A16 345.44,77.01 ; D102.A16 345.44,75.39 ; 403.86,80.47 D106.B10 ; D106.B10 403.05,81.28 ; D106.B10 403.86,82.09 ; D106.B10 404.67,81.28 ; D109.A9 401.32,336.09 ; D109.A9 402.13,335.28 ; D109.A9 400.51,335.28 ; D109.A9 401.32,334.47 ; D318.A6 173.43,66.04 ; D318.A6 172.72,66.75 ; D318.A6 172.72,65.33 ; D318.A6 172.01,66.04 ; 309.07,347.98 D114.B16 ; D114.B16 309.88,347.17 ; D114.B16 309.88,348.79 ; D114.B16 310.69,347.98 ; D306.B8 399.49,71.12 ; D306.B8 398.07,71.12 ; D306.B8 398.78,70.41 ; D306.B8 398.78,71.83 ; D102.B16 346.25,81.28 ; D102.B16 345.44,82.09 ; D102.B16 344.63,81.28 ; D102.B16 345.44,80.47 ; D129.A13 117.65,93.98 ; D129.A13 116.84,94.79 ; D129.A13 116.84,93.17 ; D129.A13 116.03,93.98 ; 185.42,52.53 D119.A11 ; D119.A11 184.61,53.34 ; D119.A11 185.42,54.15 ; D119.A11 186.23,53.34 ; D125.B9 33.02,99.87 ; D125.B9 32.21,99.06 ; D125.B9 33.02,98.25 ; D125.B9 33.83,99.06 ; 161.75,40.64 D120.B2 ; D120.B2 163.37,40.64 ; D120.B2 162.56,39.83 ; D120.B2 162.56,41.45 ; CSDPS229.C11 176.07,330.2 ; CSDPS229.C11 175.26,329.39 ; CSDPS229.C11 175.26,331.01 ; CSDPS229.C11 174.45,330.2 ; 390.35,335.28 D109.A13 ; D109.A13 391.97,335.28 ; D109.A13 391.16,336.09 ; D109.A13 391.16,334.47 ; D119.A10 182.88,56.69 ; D119.A10 182.07,55.88 ; D119.A10 183.69,55.88 ; D119.A10 182.88,55.07 ; D113.A4 341.17,332.74 ; D113.A4 340.36,331.93 ; D113.A4 340.36,333.55 ; D113.A4 339.55,332.74 ; 319.23,353.06 D114.A12 ; D114.A12 320.85,353.06 ; D114.A12 320.04,353.87 ; D114.A12 320.04,352.25 ; 42.37,38.1 D128.B13 ; D128.B13 43.99,38.1 ; D128.B13 43.18,37.29 ; D128.B13 43.18,38.91 ; 327.66,375.11 D115.A9 ; D115.A9 328.47,375.92 ; D115.A9 326.85,375.92 ; D115.A9 327.66,376.73 ; D110.A13 391.16,356.41 ; D110.A13 391.16,354.79 ; D110.A13 390.35,355.6 ; D110.A13 391.97,355.6 ; 329.39,327.66 D113.B8 ; D113.B8 331.01,327.66 ; D113.B8 330.2,328.47 ; D113.B8 330.2,326.85 ; D431.B2 198.12,379.27 ; D431.B2 198.12,377.65 ; D431.B2 198.93,378.46 ; D431.B2 197.31,378.46 ; 382.73,55.88 D107.A2 ; D107.A2 384.35,55.88 ; D107.A2 383.54,56.69 ; D107.A2 383.54,55.07 ; 233.68,77.93 D122.B1 ; D122.B1 232.87,78.74 ; D122.B1 234.49,78.74 ; D122.B1 233.68,79.55 ; 260.81,342.9 CSDPS425.B6 ; CSDPS425.B6 261.62,343.71 ; CSDPS425.B6 262.43,342.9 ; CSDPS425.B6 261.62,342.09 ; D302.A6 320.04,66.75 ; D302.A6 320.75,66.04 ; D302.A6 319.33,66.04 ; D302.A6 320.04,65.33 ; 116.03,73.66 D130.A13 ; D130.A13 117.65,73.66 ; D130.A13 116.84,72.85 ; D130.A13 116.84,74.47 ; D122.A7 248.92,74.47 ; D122.A7 248.11,73.66 ; D122.A7 249.73,73.66 ; D122.A7 248.92,72.85 ; D102.B4 314.96,82.09 ; D102.B4 315.77,81.28 ; D102.B4 314.96,80.47 ; D102.B4 314.15,81.28 ; D127.B1 12.7,59.23 ; D127.B1 12.7,57.61 ; D127.B1 13.51,58.42 ; SITE2.G2 329.33,241.81 ; SITE2.G2 329.33,240.85 ; SITE2.G2 329.81,241.33 ; SITE2.G2 328.85,241.33 ; 110.03,35.56 D132.A10 108.41,35.56 ; 319.23,332.74 D113.A12 ; D113.A12 320.04,331.93 ; D113.A12 320.04,333.55 ; D113.A12 320.85,332.74 ; D116.B15 313.23,391.16 ; D116.B15 311.61,391.16 ; D116.B15 312.42,391.97 ; D116.B15 312.42,390.35 ; D125.A3 17.78,94.79 ; D125.A3 18.59,93.98 ; D125.A3 16.97,93.98 ; D125.A3 17.78,93.17 ; D302.A5 318.21,63.5 ; D302.A5 316.79,63.5 ; D302.A5 317.5,64.21 ; D302.A5 317.5,62.79 ; D431.A1 200.66,386.89 ; D431.A1 201.47,386.08 ; D431.A1 200.66,385.27 ; D431.A1 199.85,386.08 ; 311.61,335.28 D113.A15 ; D113.A15 312.42,336.09 ; D113.A15 313.23,335.28 ; D113.A15 312.42,334.47 ; D129.B5 97.33,99.06 ; D129.B5 96.52,98.25 ; D129.B5 96.52,99.87 ; D114.A3 343.71,355.6 ; D114.A3 342.9,356.41 ; D114.A3 342.09,355.6 ; D114.A3 342.9,354.79 ; 329.39,81.28 D102.B10 ; D102.B10 331.01,81.28 ; D102.B10 330.2,80.47 ; D102.B10 330.2,82.09 ; 233.68,13.16 DPS3.A01 ; DPS3.A01 234.49,13.97 ; DPS3.A01 232.87,13.97 ; DPS3.A01 233.68,14.78 ; 175.26,339.55 CSDPS429.C11 ; CSDPS429.C11 175.26,341.17 ; CSDPS429.C11 176.07,340.36 ; CSDPS429.C11 174.45,340.36 ; 321.77,58.42 D103.B7 ; D103.B7 322.58,59.23 ; D103.B7 323.39,58.42 ; D103.B7 322.58,57.61 ; 325.12,367.49 D115.B10 ; D115.B10 324.31,368.3 ; D115.B10 325.12,369.11 ; D115.B10 325.93,368.3 ; D431.A16 163.37,383.54 ; D431.A16 161.75,383.54 ; D431.A16 162.56,384.35 ; D431.A16 162.56,382.73 ; 97.29,160.91 UNK3U1.4 ; UNK3U1.4 96.35,161.85 ; UNK3U1.4 98.23,161.85 ; UNK3U1.4 97.29,162.79 ; 314.25,71.12 D302.B4 ; D302.B4 315.67,71.12 ; D302.B4 314.96,70.41 ; D302.B4 314.96,71.83 ; 418.39,91.44 D305.B16 ; D305.B16 419.81,91.44 ; D305.B16 419.1,92.15 ; D305.B16 419.1,90.73 ; 333.33,247.45 SITE2.G12 ; SITE2.G12 333.33,248.41 ; SITE2.G12 333.81,247.93 ; SITE2.G12 332.85,247.93 ; 391.16,77.93 D106.B5 ; D106.B5 391.16,79.55 ; D106.B5 391.97,78.74 ; D106.B5 390.35,78.74 ; D130.B4 93.98,82.09 ; D130.B4 94.79,81.28 ; D130.B4 93.17,81.28 ; D130.B4 93.98,80.47 ; 24.59,35.56 D128.A6 ; D128.A6 26.21,35.56 ; D128.A6 25.4,34.75 ; D128.A6 25.4,36.37 ; CSDPS229.B2 198.12,333.55 ; CSDPS229.B2 198.93,332.74 ; CSDPS229.B2 198.12,331.93 ; CSDPS229.B2 197.31,332.74 ; D119.A9 181.15,53.34 ; D119.A9 179.53,53.34 ; D119.A9 180.34,54.15 ; D119.A9 180.34,52.53 ; D321.B7 249.63,88.9 ; D321.B7 248.92,88.19 ; D321.B7 248.92,89.61 ; D321.B7 248.21,88.9 ; D131.A16 124.46,56.69 ; D131.A16 124.46,55.07 ; D131.A16 123.65,55.88 ; D131.A16 125.27,55.88 ; 251.85,241.33 SITE1.G5 ; SITE1.G5 252.81,241.33 ; SITE1.G5 252.33,240.85 ; SITE1.G5 252.33,241.81 ; D318.A8 178.51,66.04 ; D318.A8 177.09,66.04 ; D318.A8 177.8,65.33 ; D318.A8 177.8,66.75 ; D109.A11 396.24,336.09 ; D109.A11 397.05,335.28 ; D109.A11 395.43,335.28 ; D109.A11 396.24,334.47 ; 251.85,247.93 SITE1.G11 ; SITE1.G11 252.33,247.45 ; SITE1.G11 252.81,247.93 ; SITE1.G11 252.33,248.41 ; 172.01,86.36 D317.A6 ; D317.A6 173.43,86.36 ; D317.A6 172.72,87.07 ; D317.A6 172.72,85.65 ; 187.96,60.15 D119.B12 ; D119.B12 187.96,61.77 ; D119.B12 188.77,60.96 ; D119.B12 187.15,60.96 ; D122.A9 254.81,73.66 ; D122.A9 254,74.47 ; D122.A9 253.19,73.66 ; D122.A9 254,72.85 ; D130.B14 120.19,81.28 ; 